# Altium PCB Logic.PcbDoc
Units mm, origin at the board's own origin, x right, y up, seen from the top; angles counter-clockwise.
Board outline 80 x 100 mm, 2 copper layers (Top Layer, Bottom Layer), stack 0.611 mm thick; 94 components, 87 nets, 350 pads, 174 vias.
Unrouted connection lines stored in the file: 33.
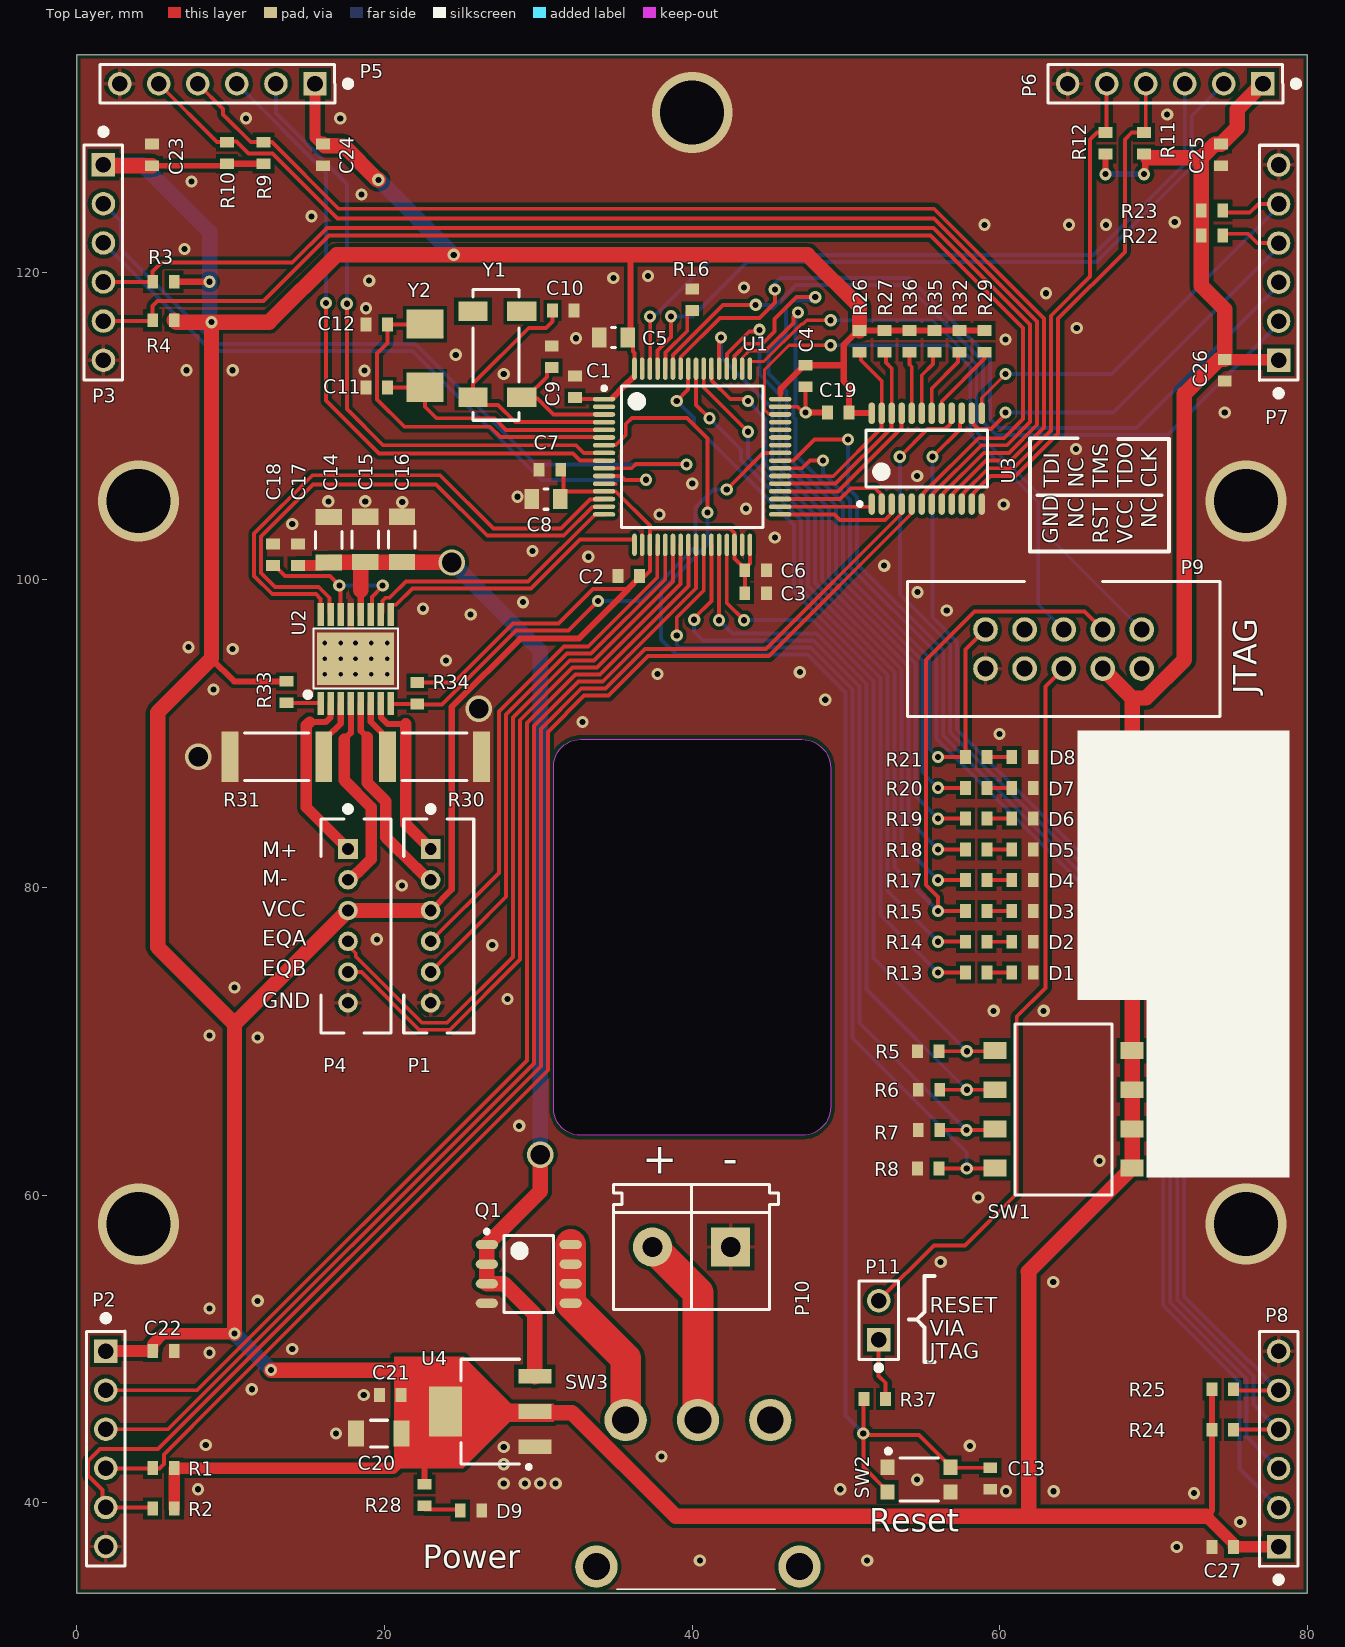
[diagram p0: Top Layer view]
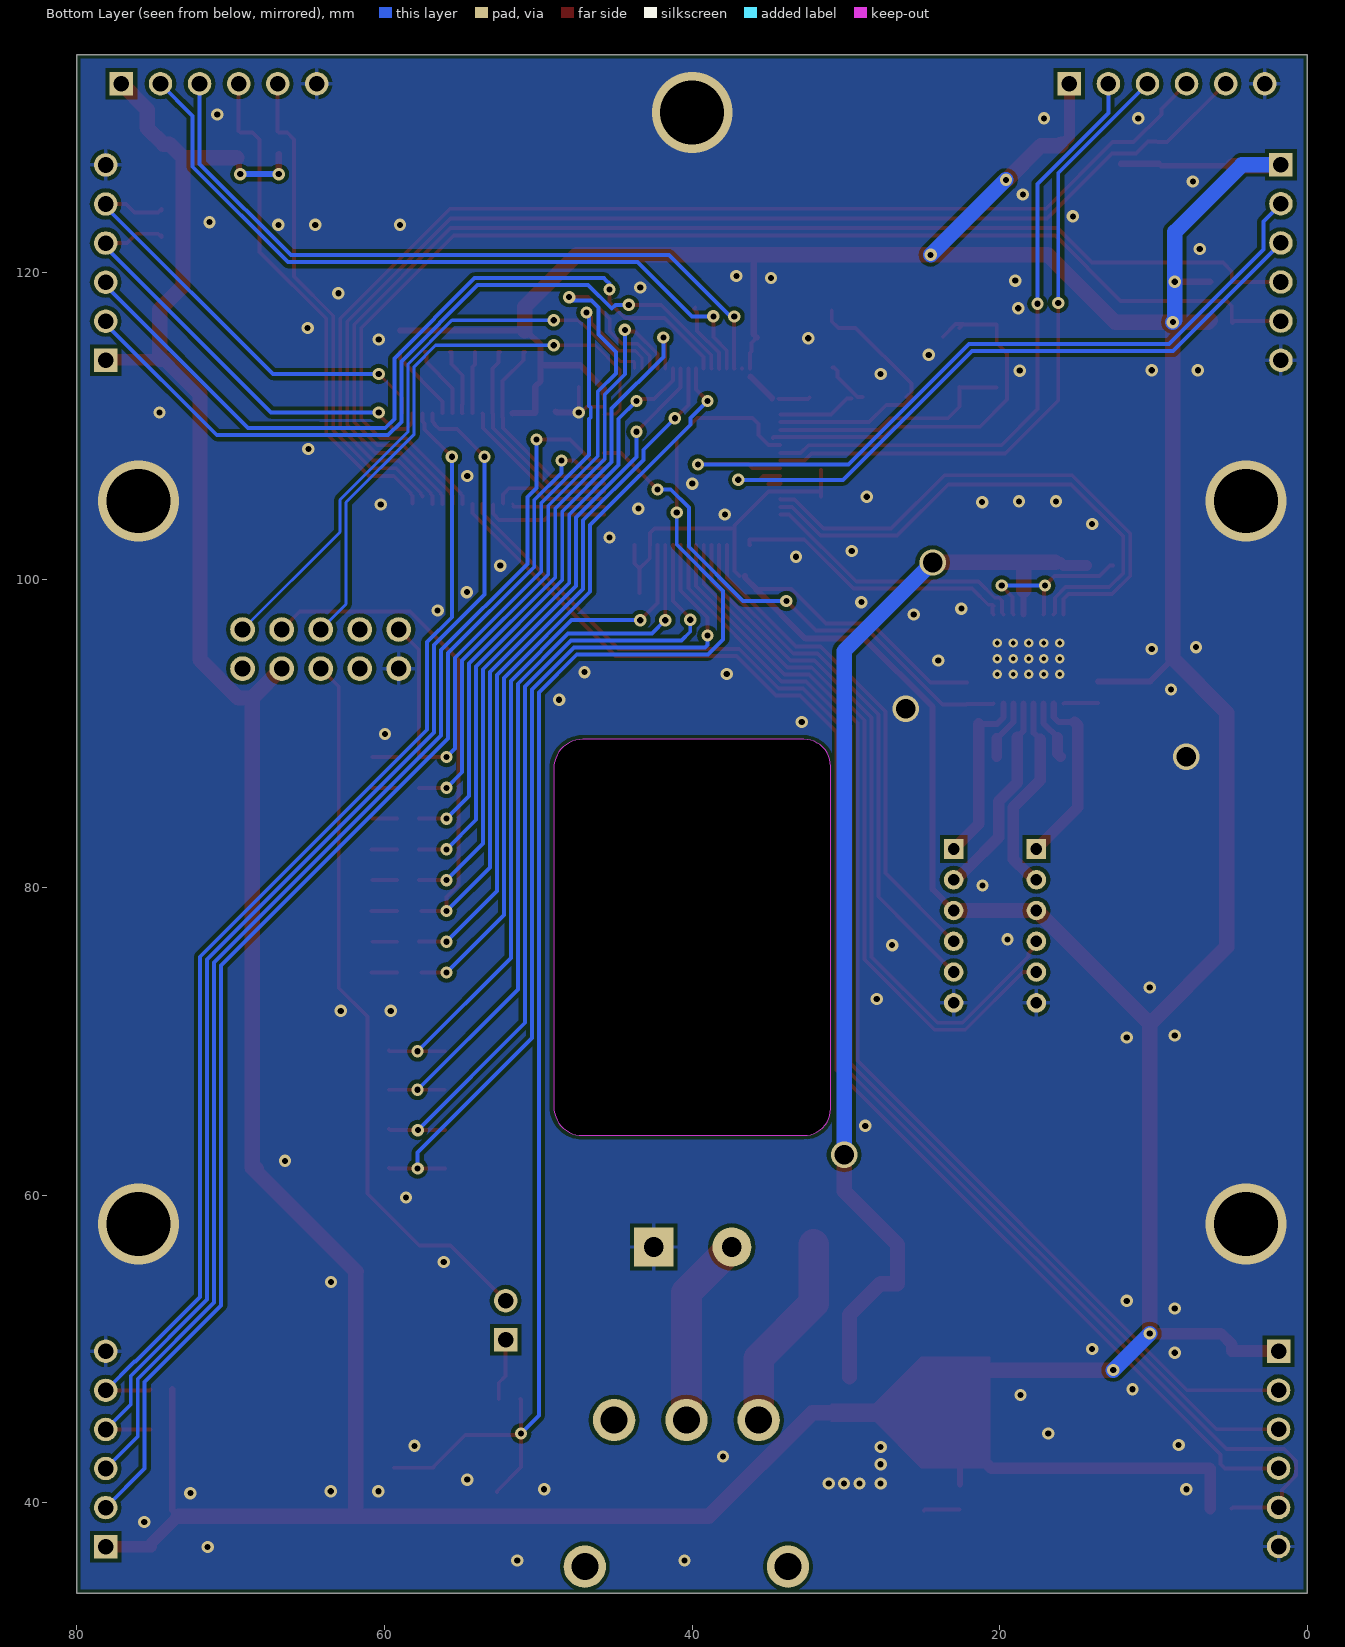
[diagram p1: Bottom Layer view, seen from below]

## Layer stack, top to bottom
Top Solder: solder mask 0.0102, Solder Resist, Dk 3.5
Top Layer: signal copper 0.0356
Dielectric 2: prepreg 0.11, PP-006, Dk 4.1
Dielectric 1: dielectric 0.32, FR-4, Dk 4.8
Dielectric 3: prepreg 0.11, PP-006, Dk 4.1
Bottom Layer: signal copper 0.0356
Bottom Solder: solder mask 0.0102, Solder Resist, Dk 3.5

## Board outline
0,34.125 80,34.125 80,134.125 0,134.125
cut-out: 32.75,89.625 47.125,89.625 cw(c47.125,87.75) 49,87.75 49,65.75 cw(c47.125,65.75) 47.125,63.875 32.75,63.875 cw(c32.75,65.625) 31,65.625 31,87.875 cw(c32.75,87.875)

## Design rules (kind name [scope] priority, off if disabled: settings)
BoardOutlineClearance [All] p1: gap=0.254 ignorepadtopadclearanceinfootprint=FALSE except(0: Arc-SplitContinuation Track-SplitContinuation SMDPad-SplitContinuation THPad-SplitContinuation Via-SplitContinuation Fill-SplitContinuation Poly-SplitContinuation Region-SplitContinuation Text-SplitContinuation)
Clearance [All] p1: gap=0.254 ignorepadtopadclearanceinfootprint=FALSE except(0: Arc-Hole Track-Hole SMDPad-Hole THPad-Hole Via-Hole Fill-Hole Poly-Hole Region-Hole Text-Hole; 0.2: Arc-Arc Arc-Track Arc-SMDPad Track-Track Track-SMDPad SMDPad-SMDPad Via-Via)
HoleSize [All] p1: absolutevalues=TRUE maxlimit=10 minlimit=0.025 maxpercent=80.000 minpercent=20.000
PlaneConnect [All] p1: pad.planeconnectstyle=Relief pad.reliefexpansion=0.508 pad.reliefentries=4 pad.reliefconductorwidth=0.254 pad.reliefairgap=0.254 via.planeconnectstyle=Direct via.reliefexpansion=0.508 via.reliefentries=4 via.reliefconductorwidth=0.254 via.reliefairgap=0.254
PolygonConnect PolygonConnect_VCC [InNet('VCC')] p1: thpad.connectstyle=Relief thpad.reliefconductorwidth=0.254 thpad.reliefentries=4 thpad.polygonreliefangle="90 Angle" thpad.airgapwidth=0.254 smdpad.connectstyle=Direct smdpad.reliefconductorwidth=0.254 smdpad.reliefentries=4 smdpad.polygonreliefangle="90 Angle" smdpad.airgapwidth=0.254 via.connectstyle=Direct via.reliefconductorwidth=0.254 via.reliefentries=4 via.polygonreliefangle="90 Angle" via.airgapwidth=0.254
PolygonConnect [All] p2: thpad.connectstyle=Relief thpad.reliefconductorwidth=0.254 thpad.reliefentries=4 thpad.polygonreliefangle="90 Angle" thpad.airgapwidth=0.254 smdpad.connectstyle=Direct smdpad.reliefconductorwidth=0.254 smdpad.reliefentries=4 smdpad.polygonreliefangle="90 Angle" smdpad.airgapwidth=0.254 via.connectstyle=Direct via.reliefconductorwidth=0.254 via.reliefentries=4 via.polygonreliefangle="90 Angle" via.airgapwidth=0.254
RoutingVias [All] p1: holewidth=0.4 width=0.8 viastyle="Through Hole" minholewidth=0.3 minwidth=0.5 maxholewidth=10 maxwidth=10
SilkToSilkClearance [All] p1: silktosilkclearance=0.2
SilkToSolderMaskClearance SilkToSolderMaskClearance_1 [IsPad] p1: minsilkscreentomaskgap=0.1 clearancetoexposedcopper=TRUE
SolderMaskExpansion [All] p1: expansion=0.102
Width [All] p1: maxlimit=3 minlimit=0.2 preferedwidth=0.254 minimp=50.000000 maximp=50.000000 favimp=50.000000
26 further rules are at their usual default settings.

## Components (designator, comment, footprint, x,y, rotation, side; value= is the part's Value field where it differs from the comment)
C1 "cap_single_np" chip_0603 32.375,112.55 r90 top
C2 "cap_single_np" chip_0603 35.875,100.25 r180 top
C3 "cap_single_np" chip_0603 44.125,99.125 r0 top
C4 "cap_single_np" chip_0603 47.375,113.25 r270 top
C5 "cap_single_np" chip_0805 34.875,115.75 r180 top
C6 "cap_single_np" chip_0603 44.125,100.625 r0 top
C7 "cap_single_np" chip_0603 30.75,107.15 r180 top
C8 "cap_single_np" chip_0805 30.5,105.246 r180 top
C9 "cap_single_np" chip_0603 30.875,114.5 r90 top
C10 "cap_single_np" chip_0603 31.625,117.5 r0 top
C11 "cap_single_np" chip_0603 19.5,112.5 r180 top
C12 "cap_single_np" chip_0603 19.5,116.6 r180 top
C13 "cap_single_np" chip_0603 59.375,41.575 r270 top
C14 "cap_single_np" chip_1206 16.375,102.6 r90 top
C15 "cap_single_np" chip_1206 18.75,102.625 r90 top
C16 "cap_single_np" chip_1206 21.125,102.625 r90 top
C17 "cap_single_np" chip_0603 14.375,101.625 r90 top
C18 "cap_single_np" chip_0603 12.75,101.625 r90 top
C19 "cap_single_np" chip_0603 49.5,110.875 r180 top
C20 "cap_single_np" chip_1206 19.625,44.5 r180 top
C21 "cap_single_np" chip_0603 20.375,47 r180 top
C22 "cap_single_np" chip_0603 5.625,49.875 r0 top
C23 "cap_single_np" chip_0603 4.875,127.625 r90 top
C24 "cap_single_np" chip_0603 16,127.625 r270 top
C25 "cap_single_np" chip_0603 74.375,127.625 r270 top
C26 "cap_single_np" chip_0603 74.625,113.625 r270 top
C27 "cap_single_np" chip_0603 74.5,37.125 r180 top
D1 "diode_4" chip_0603 61.475,74.475 r180 top
D2 "diode_4" chip_0603 61.475,76.475 r180 top
D3 "diode_4" chip_0603 61.475,78.475 r180 top
D4 "diode_4" chip_0603 61.475,80.475 r180 top
D5 "diode_4" chip_0603 61.475,82.475 r180 top
D6 "diode_4" chip_0603 61.475,84.475 r180 top
D7 "diode_4" chip_0603 61.475,86.475 r180 top
D8 "diode_4" chip_0603 61.475,88.475 r180 top
D9 "diode_4" chip_0603 25.625,39.5 r180 top
P1 "conn-6x1_0" JST_PHR_6_0 23,82.5 r270 top
P2 "conn-6x1_0" HDDR_6X1_0 1.879,43.5 r270 top locked
P3 "conn-6x1_0" HDDR_6X1_0 1.725,120.625 r270 top
P4 "conn-6x1_0" JST_PHR_6_0 17.625,82.5 r270 top
P5 "conn-6x1_0" HDDR_6X1_0 9.125,132.25 r180 top
P6 "conn-6x1_0" HDDR_6X1_0 70.75,132.25 r180 top
P7 "conn-6x1_0" HDDR_6X1_0 78.125,120.625 r90 top
P8 "conn-6x1_0" HDDR_6X1_0 78.125,43.5 r90 top locked
P9 "conn-5x2_0" CNC_TECH_3020-10-0100-XX 64.15,95.5 r270 top
P10 "conn-2x1_0" PHOENIX_MKDS_5.08MM_2x1 42.5,56.625 r180 top locked
P11 "conn-2x1_0" hddr_2x1_0 52.125,51.875 r90 top
Q1 "p-mosfet-SSSGDDDD" SO-8 29.375,54.875 r0 top
R1 "res_single" chip_0603 5.629,42.25 r180 top
R2 "res_single" chip_0603 5.629,39.625 r180 top locked
R3 "res_single" chip_0603 5.625,119.375 r180 top
R4 "res_single" chip_0603 5.625,116.875 r180 top
R5 "res_single" chip_0603 55.35,69.35 r180 top
R6 "res_single" chip_0603 55.4,66.85 r180 top
R7 "res_single" chip_0603 55.4,64.225 r180 top
R8 "res_single" chip_0603 55.35,61.725 r180 top
R9 "res_single" chip_0603 12.125,127.75 r90 top
R10 "res_single" chip_0603 9.75,127.75 r90 top
R11 "res_single" chip_0603 69.375,128.375 r90 top
R12 "res_single" chip_0603 66.875,128.375 r90 top locked
R13 "res_single" chip_0603 58.475,74.475 r0 top
R14 "res_single" chip_0603 58.475,76.475 r0 top
R15 "res_single" chip_0603 58.475,78.475 r0 top
R16 "res_single" chip_0603 40,118.2 r90 top
R17 "res_single" chip_0603 58.475,80.475 r0 top
R18 "res_single" chip_0603 58.475,82.475 r0 top
R19 "res_single" chip_0603 58.475,84.475 r0 top
R20 "res_single" chip_0603 58.475,86.475 r0 top
R21 "res_single" chip_0603 58.475,88.475 r0 top
R22 "res_single" chip_0603 73.8,122.375 r0 top
R23 "res_single" chip_0603 73.8,124 r0 top locked
R24 "res_single" chip_0603 74.5,44.75 r0 top
R25 "res_single" chip_0603 74.5,47.375 r0 top locked
R26 "res_single" chip_0603 50.875,115.5 r270 top
R27 "res_single" chip_0603 52.5,115.5 r270 top
R28 "res_single" chip_0603 22.6,40.5 r270 top
R29 "res_single" chip_0603 59,115.5 r90 top
R30 "res_single" chip_2512 23.25,88.5 r0 top
R31 "res_single" chip_2512 13,88.5 r180 top
R32 "res_single" chip_0603 57.375,115.5 r90 top
R33 "res_single" chip_0603 13.625,92.7 r90 top
R34 "res_single" chip_0603 22.125,92.625 r90 top
R35 "res_single" chip_0603 55.75,115.5 r90 top
R36 "res_single" chip_0603 54.125,115.5 r90 top
R37 "res_single" chip_0603 51.875,46.75 r0 top
SW1 "DIP_SW_4" A6S-4104-H 68.6,61.77 r180 top
SW2 "SW_1P1T_0" KMR6 54.75,41.5 r0 top
SW3 "SW-SPDT" E-Switch_500SSPyS1M6yEA 40.375,45.375 r90 top
U1 "STM32F446_64_0" LQFP64_0 40,108 r0 top
U2 "DRV8848" HTSSOP-16_0 15.85,91.954 r90 top
U3 "TCA9548A" tssop-24_0 55.25,107.875 r90 top
U4 "LM1117" sot-223-4 26.875,45.929 r180 top
Y1 "osc_xtal_2p_0" ABS25_OSC 25.75,111.875 r90 top
Y2 "osc_xtal_2p_0" smd2-0 22.625,112.525 r90 top

## Footprints (in the part's own frame and the unit in brackets; to place one, negate y for a bottom-side part, rotate by r counter-clockwise, add the part's x,y. Pads: shape width x height; smd on the part's side, far side on the other; paste and mask are expansions set on the pad)
A6S-4104-H [mm]
  rect 1.5x1.1 smd: 1(0,0) 2(0,-2.54) 3(0,-5.08) 4(0,-7.62) 5(8.9,-7.62) 6(8.9,-5.08) 7(8.9,-2.54) 8(8.9,0)
  silkscreen extent 1.3,-9.35 7.6,1.75, body extent -0.45,-9.35 9.35,1.75, height 4.4
ABS25_OSC [mil] "Abracon Tuning Fork Oscillators"
  rect 50x75 smd: 1(0,-125) 2(0,0) 3(220,0) 4(220,-125)
  silkscreen extent -59,-118 276,0
chip_0603 [mm]
  rect 0.7x0.9 smd: 1(-0.7,0) 2(0.7,0)
  body extent -0.85,-0.45 0.85,0.45, height 0.6
chip_0805 [mm]
  rect 0.95x1.3 smd: 1(-0.925,0) 2(0.925,0)
  silkscreen extent -0.13,-0.66 0.13,0.66, body extent -1.05,-0.65 1.05,0.65, height 0.6
chip_1206 [mm]
  rect 1.05x1.7 smd: 1(-1.475,0) 2(1.475,0)
  silkscreen extent -0.55,-0.86 0.55,0.86, body extent -1.65,-0.85 1.65,0.85, height 0.6
chip_2512 [mm]
  rect 1.1x3.3 smd: 1(-3.05,0) 2(3.05,0)
  silkscreen extent -2.1,-1.55 2.1,1.55, body extent -3.25,-1.65 3.25,1.65, height 0.6
CNC_TECH_3020-10-0100-XX [mm]
  round 1.6 hole 1.02: 1(-1.27,5.08) 2(1.27,5.08) 3(-1.27,2.54) 4(1.27,2.54) 5(-1.27,0) 6(1.27,0) 7(-1.27,-2.54) 8(1.27,-2.54) 9(-1.27,-5.08) 10(1.27,-5.08)
  silkscreen extent -4.4,-10.15 4.4,10.15, body extent -4.4,-10.16 4.4,10.16, height 9
E-Switch_500SSPyS1M6yEA [mm] "E-Switch 500 Series SPDT"
  round 2.75 hole 1.75: 0(-9.53,-6.605) 0(-9.53,6.605) 1(0,-4.7) 2(0,0) 3(0,4.7)
  silkscreen extent -11,-5 -11,5.25, body extent -15.58,-6.79 0.61,6.78, height 6.6
hddr_2x1_0 [mil] "0.1\" Header 2x1"
  rect 60x60 hole 40: 1(-50.39,0)
  round 60 hole 40: 2(49.61,0)
  silkscreen extent -128,-50 100,50, body extent -100,-50 100,50, height 336
HDDR_6X1_0 [mil] "0.1\" Header 6x1"
  rect 60x60 hole 40: 1(-250.2,0)
  round 60 hole 40: 2(-150.2,0) 3(-50.2,0) 4(49.8,0) 5(149.8,0) 6(249.8,0)
  silkscreen extent -343,-49 300,49, body extent -301,-49 299,51, height 336
HTSSOP-16_0 [mm]
  rect 1.5x0.42 smd mask+0.051: 1(0,0) 2(0,-0.65) 3(0,-1.3) 4(0,-1.95) 5(0,-2.6) 6(0,-3.25) 7(0,-3.9) 8(0,-4.55) 9(5.8,-4.55) 10(5.8,-3.9) 11(5.8,-3.25) 12(5.8,-2.6) 13(5.8,-1.95) 14(5.8,-1.3) 15(5.8,-0.65) 16(5.8,0)
  rect 3.404x3.302 smd mask-0.051: 17(2.921,-2.275)
  rect 3.4x0.9 smd: 17(2.921,-0.2) 17(2.921,-4.318)
  silkscreen extent 0.43,-5.03 4.88,0.99, body extent -0.29,-4.81 6.14,0.29, height 1.11
JST_PHR_6_0 [mil]
  rect 50x50 hole 30: 1(0,0)
  round 50 hole 30: 2(78.74,0) 3(157.48,0) 4(236.22,0) 5(314.96,0) 6(393.7,0)
  silkscreen extent -110,-69 470,110, body extent -77,-69 470,110, height 236
KMR6 [mm] "C&K KMR6 Series Tactile Switch"
  rect 0.9x1 smd: 1(-2.05,0.8) 2(-2.05,-0.8) 3(2.05,-0.8) 4(2.05,0.8)
  silkscreen extent -2.14,-1.4 1.25,1.99, body extent -2.3,-1.4 2.3,1.4, height 1.9
LQFP64_0 [mm] "LQFP64, 10.00x10.00mm, 0.50mm"
  oval 1.45x0.3 smd: 1(-5.725,3.75) 2(-5.725,3.25) 3(-5.725,2.75) 4(-5.725,2.25) 5(-5.725,1.75) 6(-5.725,1.25) 7(-5.725,0.75) 8(-5.725,0.25) 9(-5.725,-0.25) 10(-5.725,-0.75) 11(-5.725,-1.25) 12(-5.725,-1.75) 13(-5.725,-2.25) 14(-5.725,-2.75) 15(-5.725,-3.25) 16(-5.725,-3.75) 33(5.725,-3.75) 34(5.725,-3.25) 35(5.725,-2.75) 36(5.725,-2.25) 37(5.725,-1.75) 38(5.725,-1.25) 39(5.725,-0.75) 40(5.725,-0.25) 41(5.725,0.25) 42(5.725,0.75) 43(5.725,1.25) 44(5.725,1.75) 45(5.725,2.25) 46(5.725,2.75) 47(5.725,3.25) 48(5.725,3.75)
  oval 0.3x1.45 smd: 17(-3.75,-5.725) 18(-3.25,-5.725) 19(-2.75,-5.725) 20(-2.25,-5.725) 21(-1.75,-5.725) 22(-1.25,-5.725) 23(-0.75,-5.725) 24(-0.25,-5.725) 25(0.25,-5.725) 26(0.75,-5.725) 27(1.25,-5.725) 28(1.75,-5.725) 29(2.25,-5.725) 30(2.75,-5.725) 31(3.25,-5.725) 32(3.75,-5.725) 49(3.75,5.725) 50(3.25,5.725) 51(2.75,5.725) 52(2.25,5.725) 53(1.75,5.725) 54(1.25,5.725) 55(0.75,5.725) 56(0.25,5.725) 57(-0.25,5.725) 58(-0.75,5.725) 59(-1.25,5.725) 60(-1.75,5.725) 61(-2.25,5.725) 62(-2.75,5.725) 63(-3.25,5.725) 64(-3.75,5.725)
  silkscreen extent -5.85,-4.6 4.6,4.6, body extent -5,-5 5,5, height 1.6
PHOENIX_MKDS_5.08MM_2x1 [mm]
  rect 2.54x2.54 hole 1.27: 1(0,0)
  round 2.54 hole 1.27: 2(5.08,0)
  silkscreen extent -3.1,-4.06 7.62,4.06, body extent -3.12,-4.05 7.62,4.05, height 10
smd2-0 [mm] "2-SMD 3.2x5mm"
  rect 1.9x2.4 smd: 1(0,0) 2(4.1,0)
SO-8 [mm] "SO-8 Package"
  oval 1.45x0.6 smd: 1(-2.725,1.905) 2(-2.725,0.635) 3(-2.725,-0.635) 4(-2.725,-1.905) 5(2.725,-1.905) 6(2.725,-0.635) 7(2.725,0.635) 8(2.725,1.905)
  silkscreen extent -2.85,-2.5 1.6,2.88, body extent -3.08,-2.5 3.08,2.5, height 2
sot-223-4 [mm]
  rect 2.15x0.95 smd: 1(-2.9,2.3) 2(-2.9,0) 3(-2.9,-2.3)
  rect 2.15x3.25 smd: 4(2.9,0)
  silkscreen extent -2.63,-3.4 1.9,3.72, body extent -1.9,-3.4 1.9,3.4, height 1.1
tssop-24_0 [mm] "TSOP, 24-Leads, Body 7.80x4.40mm, Pitch 0.65mm, IPC Medium Density"
  oval 1.4x0.41 smd mask+0.065: 1(-2.95,3.575) 2(-2.95,2.925) 3(-2.95,2.275) 4(-2.95,1.625) 5(-2.95,0.975) 6(-2.95,0.325) 7(-2.95,-0.325) 8(-2.95,-0.975) 9(-2.95,-1.625) 10(-2.95,-2.275) 11(-2.95,-2.925) 12(-2.95,-3.575) 13(2.95,-3.575) 14(2.95,-2.925) 15(2.95,-2.275) 16(2.95,-1.625) 17(2.95,-0.975) 18(2.95,-0.325) 19(2.95,0.325) 20(2.95,0.975) 21(2.95,1.625) 22(2.95,2.275) 23(2.95,2.925) 24(2.95,3.575)
  silkscreen extent -3.07,-3.95 1.85,4.47, body extent -3.21,-3.85 3.22,3.85, height 1.11

## Part data
C1 C2 C3 C4 C7 C13 C17 C19 C21 C22 C23 C24 C25 C26 C27: library part CAP-00542, "CAP, 0.1uF, ±10%, 16V, X7R, 0603", Capacitance=0.1uF, Manufacturer=Murata, Tolerance=±10%, Voltage Rating=16V, Part Number=CAP-00542, Type=X7R
C5: library part CAP-00126, "CAP, 4.7uF, 10%, 10V, X7R, 0805", Capacitance=4.7uF, Manufacturer=Murata, Manufacturer PN=GRM21BR71A475KA73K, Tolerance=10%, Voltage Rating=10V, Part Number=CAP-00126, Type=X7R
C6 C18: library part CAP-00531, "CAP, 2.2uF, ±10%, 10V, X7R, 0603", Capacitance=2.2uF, Manufacturer=Murata, Manufacturer PN=GRM188R71A225KE15J, Tolerance=±10%, Voltage Rating=10V, Part Number=CAP-00531, Type=X7R
C8: library part CAP-00107, "CAP, 1uF, 10%, 16V, X7R, 0805", Capacitance=1uF, Manufacturer=Murata, Manufacturer PN=GRM21BR71C105KA01L, Tolerance=10%, Voltage Rating=16V, Part Number=CAP-00107, Type=X7R
C9 C10: library part CAP-00538, "CAP, 6pF, ±10%, 50V, C0G, 0603", Capacitance=6pF, Tolerance=±10%, Voltage Rating=50V, Part Number=CAP-00538, Type=C0G
C11 C12: library part CAP-00402, "CAP, 8pF, ±0.1pF, 50V, C0G, 0603", Capacitance=8pF, Manufacturer=Murata, Manufacturer PN=GRM1885C1H8R0BA01D, Tolerance=±0.1pF, Voltage Rating=50V, Part Number=CAP-00402, Type=C0G
C14 C15 C16 C20: library part CAP-00539, "CAP, 10uF, ±10%, 25V, X7R, 1206", Capacitance=10uF, Manufacturer=Samsung, Manufacturer PN=CL31B106KAHNNNE, Tolerance=±10%, Voltage Rating=25V, Part Number=CAP-00539, Type=X7R
D1 D2 D3 D4 D5 D6 D7 D8: library part DIO-00050, "LED, Green, 0603, Low current, HELI2 Series", Current Rating=30mA, Forward Voltage=2.65V, Manufacturer=Kingbright, Manufacturer PN=APT1608LZGCK, Power Rating=120mW, Reverse Breakdown Voltage=5V, Cost=0.58, Part Number=DIO-00050, Type=LED
D9: library part DIO-00049, "LED, Blue, 0603, Low current, HELI2 Series", Current Rating=30mA, Forward Voltage=2.65V, Manufacturer=Kingbright, Manufacturer PN=APT1608LVBC/D, Power Rating=120mW, Reverse Breakdown Voltage=5V, Cost=0.58, Part Number=DIO-00049, Type=LED
P1 P4: library part CONN-00017, "JST PHR 6x1", Manufacturer=JST, Levels=1, Part Number=CONN-00017, Positions per level=6, Type=Header
P2 P3 P5 P6 P7 P8: library part CONN-00008, "Header 6x1, 0.1\"", Levels=1, Part Number=CONN-00008, Positions per level=6
P9: library part CONN-00054, "Header, 10-pin IDC, 2.54mm Pitch", Manufacturer="CNC Tech", Manufacturer PN=3020-10-0100-00, Cost=0.58, Levels=2, Part Number=CONN-00054, Positions per level=5, Type=Header
P10: library part CONN-00014, "Term Blk, 2 Pos, 0.2\", 10A, 14-30 AWG, Rising Cage Clamp", Current=10, Manufacturer="Phoenix Contact", Manufacturer PN=1729128, Levels=1, Part Number=CONN-00014, Positions per level=2, Type="Terminal Block"
P11: library part CONN-00055, "Header, 2x1, 0.1\"", Manufacturer=Samtec, Manufacturer PN=TSW-102-07-F-S, Cost=0.2, Levels=1, Part Number=CONN-00055, Positions per level=2, Type=Header
Q1: library part XSTR-00033, "XSTR PFET, 8.8A, 30V, 2.5W, SOIC-8", Manufacturer="ON Semi", Manufacturer PN=FDS4435BZ, Max Current=8.8A, Max Power=2.5W, Max Voltage=30V, Part Number=XSTR-00033, Type=PFET, Vgs/Vce=2.1V
R1 R2 R3 R4 R9 R10 R11 R12 R22 R23 R24 R25 R26 R27 R29 R32 R33 R35 R36: library part RES-00284, "RES SMD 1.5K OHM 1% 1/4W 0603", Manufacturer=Panasonic, Manufacturer PN=ERJ-PA3F1501V, Power Rating=0.25W, Resistance=1.5k, Tolerance=1%, Part Number=RES-00284
R5 R6 R7 R8 R16 R37: library part RES-00236, "RES SMD 470 OHM 1% 1/4W 0603", Manufacturer=Panasonic, Manufacturer PN=ERJ-PA3F4700V, Power Rating=0.25W, Resistance=470, Tolerance=1%, Part Number=RES-00236
R13 R28: library part RES-00221, "RES SMD 330 OHM 1% 1/4W 0603", Manufacturer=Panasonic, Manufacturer PN=ERJ-PA3F3300V, Power Rating=0.25W, Resistance=330, Tolerance=1%, Part Number=RES-00221
R14 R15 R17 R18 R19 R20 R21: library part RES-00221, "RES SMD 330 OHM 1% 1/4W 0603", Manufacturer=Panasonic, Manufacturer PN=ERJ-PA3F3300V, Tolerance=1%, Part Number=RES-00221
R30 R31: library part RES-00692, "RES SMD 0.33 OHM 1% 1W 2512", Manufacturer=Panasonic, Manufacturer PN=ERJ-1TRQFR33U, Power Rating=1W, Resistance=0.33, Tolerance=1%, Cost=0.64, Part Number=RES-00692
R34: library part RES-00306, "RES SMD 10K OHM 1% 1/4W 0603", Manufacturer=Panasonic, Manufacturer PN=ERJ-PA3F1002V, Power Rating=0.25W, Resistance=10k, Tolerance=1%, Cost=0.144, Part Number=RES-00306
SW1: library part MISC-00026, "DIP Switch, SMD, 25mA, 24V", Manufacturer=Omron, Manufacturer PN=A6S-4104-H, Cost=1.51, Part Number=MISC-00026
SW2: library part MISC-00024, "Switch, SPST, Tactile, 32V 50mA", Manufacturer=C&K, Manufacturer PN="KMR621NG LFS", Cost=0.33, Part Number=MISC-00024
SW3: library part MISC-00033, "Switch, SPDT, 120VAC/28VDC, 5A, Horizontal Slide Switch", Current Rating=*A, Manufacturer=E-Switch, Manufacturer PN=500SSP1S1M6QEA, ComponentLink1Description="Manufacturer Link", ComponentLink1URL=http://www.apem.com, Cost=3.93, Part Number=MISC-00033
U1: library part UCTRL-00002, "STM32F4 Series, 32-bit ARM M4, 180MHz, LQFP64", Manufacturer=ST, Manufacturer PN=STM32F446RET6, Part Number=UCTRL-00002
U2: library part MISC-00022, "IC, Motor Driver, Quad Half-Bridge, 4-18V", Manufacturer=TI, Manufacturer PN=DRV8848PWPR, Cost=1.53, Part Number=MISC-00022
U3: library part IFACE-00001, "I2C 8-Channel Mux with Reset, TCA9548A", Manufacturer=TI, Cost=1.55, Manufacturer PN=TCA9548A, Part Number=IFACE-00001
U4: library part PWREG-00018, "REG, Linear, Fixed 3V3, 800mA, SOT-223", Manufacturer=TI, Manufacturer PN=LM1117MPX-3.3/NOPB, Max Current=800mA, Voltage Range In="4.5 - 15V", Voltage Range Out=3.3V, Cost=1.14, Fixed/Adj=Fixed, Part Number=PWREG-00018, Reg Type=Linear